# KiCad board panel.kicad_pcb (continued)
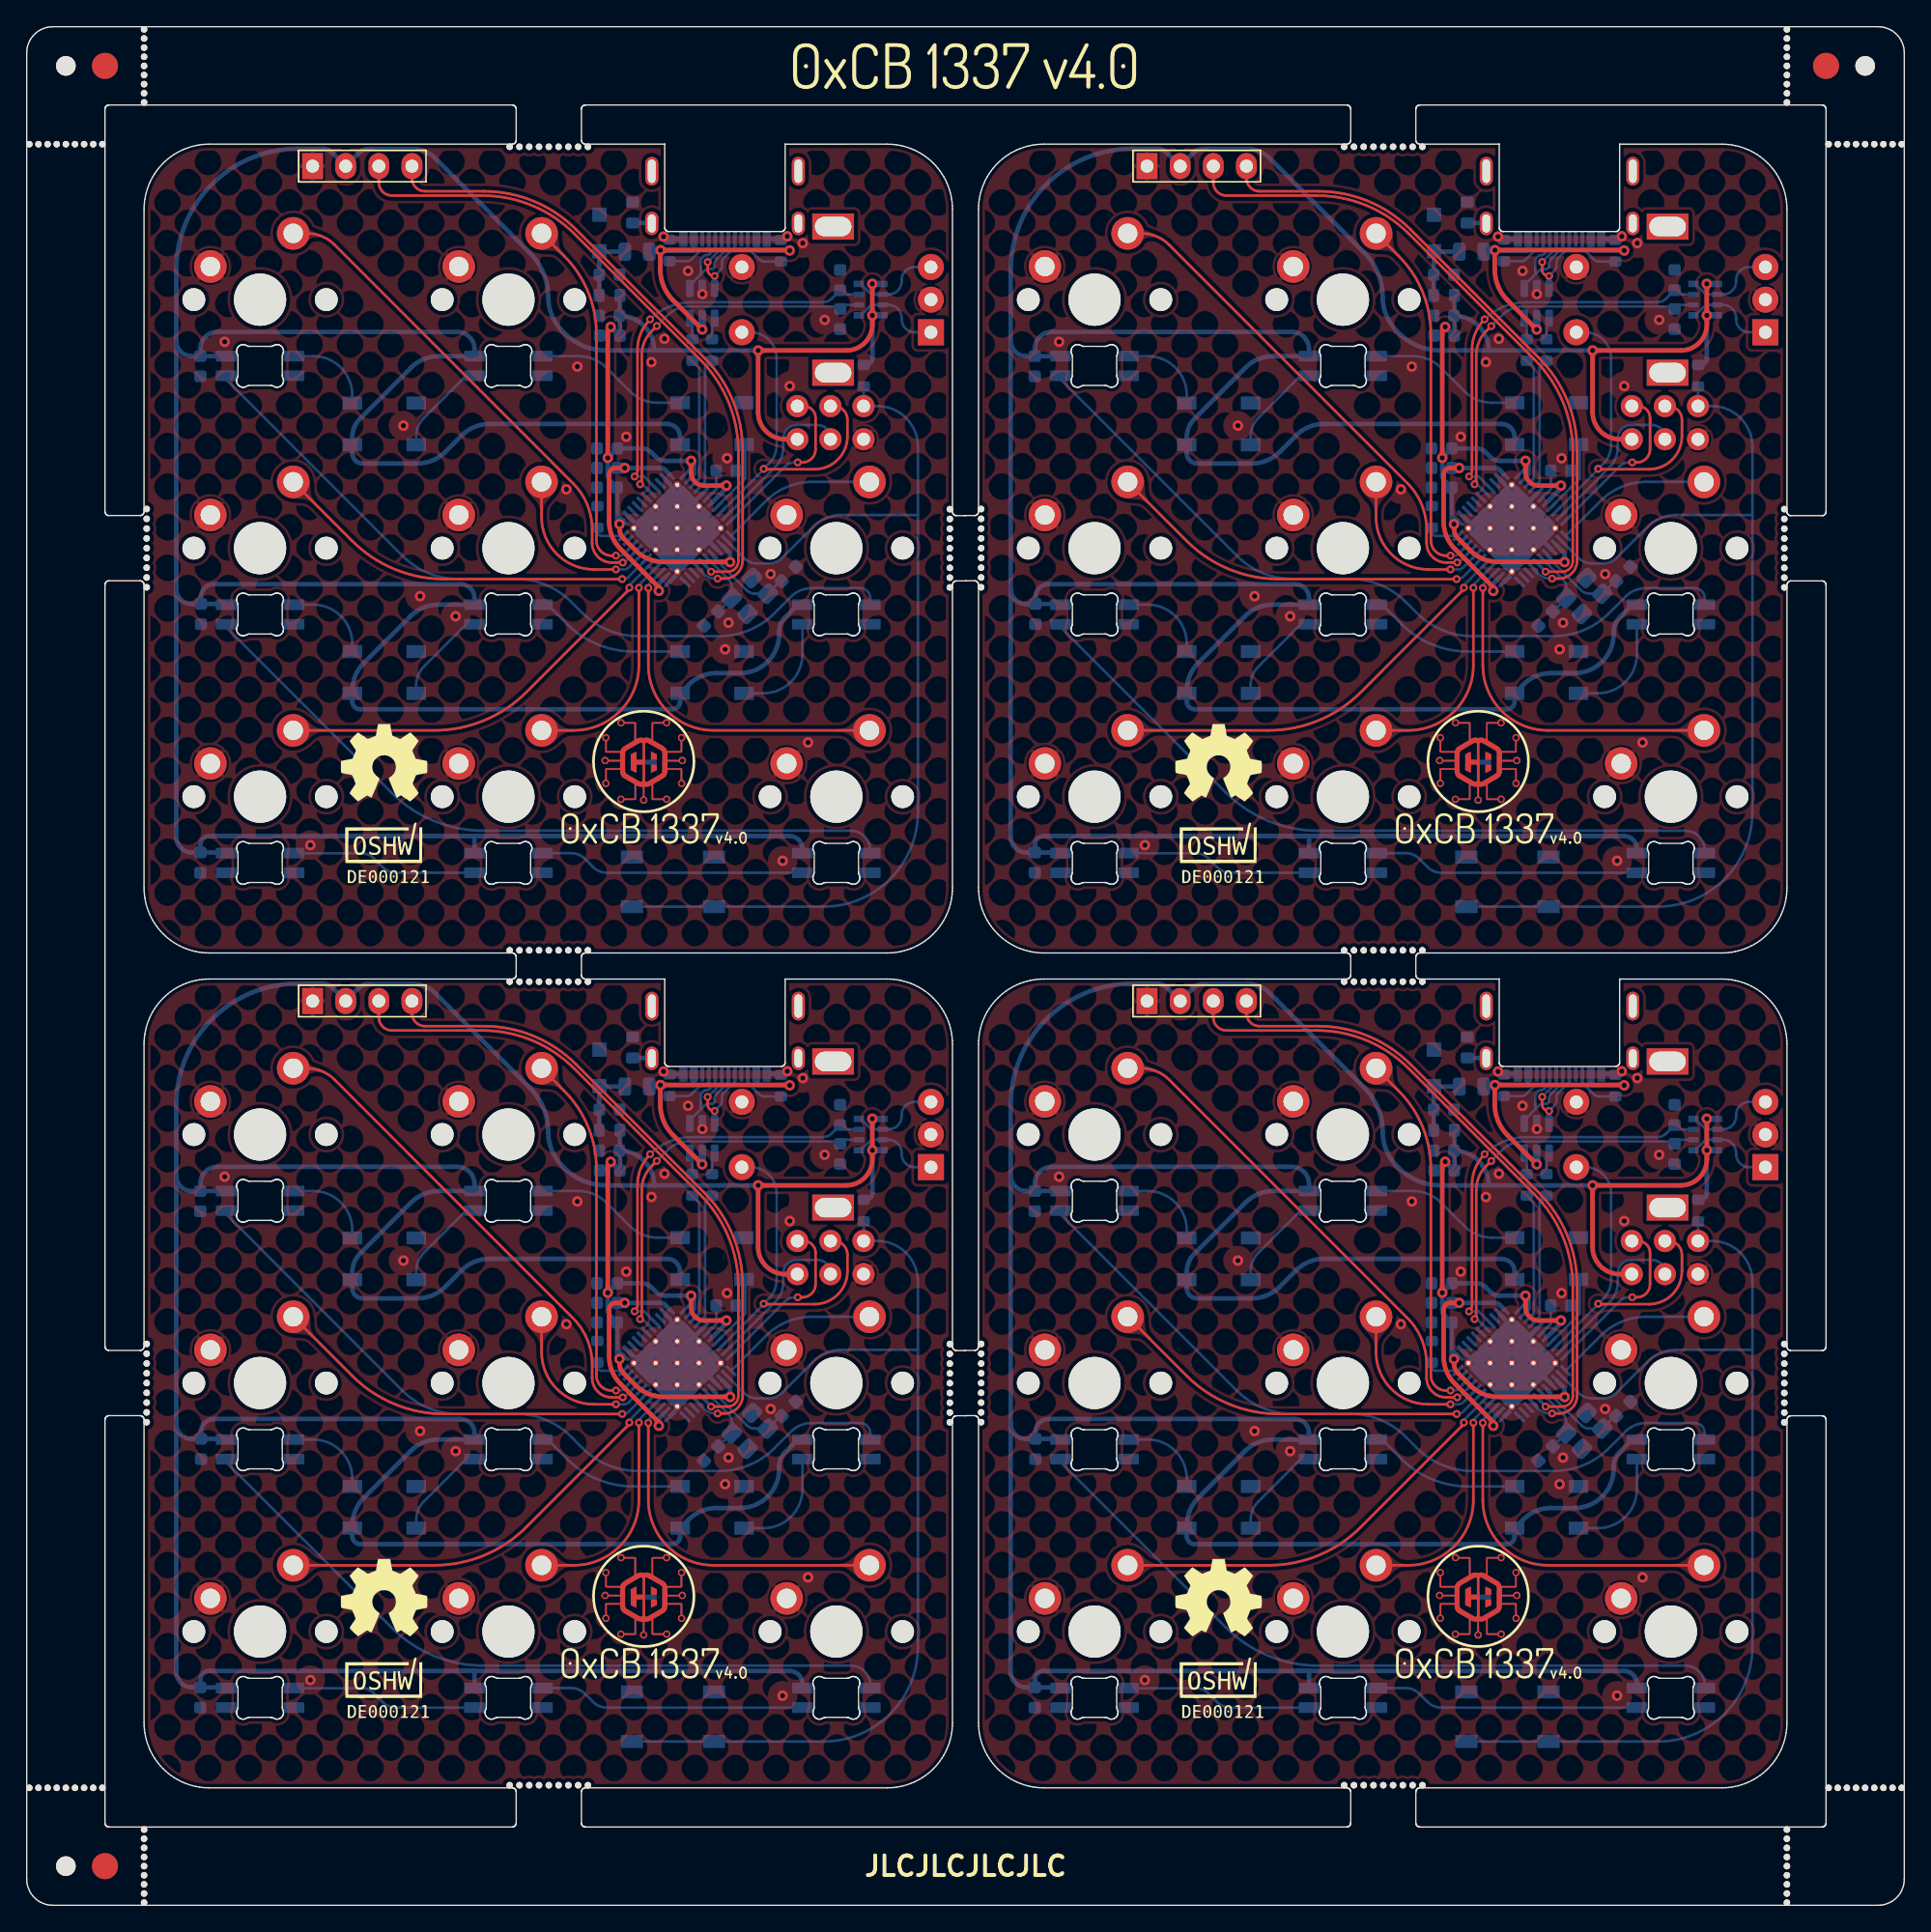
[diagram p0: board, top side]
## Placement (name value [footprint] x y rotation side) (continued)
REF**#192  -  [NPTH]  9.2 37.78 0 top
REF**#193  -  [NPTH]  135 141.7 0 top
REF**#194  -  [NPTH]  104.04 134.8 0 top
REF**#195  -  [NPTH]  9.2 101.03 0 top
REF**#196  -  [NPTH]  134.8 102.52 0 top
REF**#197  -  [NPTH]  9.2 106.28 0 top
REF**#198  -  [NPTH]  4.4 9 0 top
REF**#199  -  [NPTH]  73.2 41.53 0 top
REF**#200  -  [NPTH]  9 5.1 0 top
REF**#201  -  [OSHW-Symbol_6.7x6mm_SilkScreen]  91.4 87.57 0 top
REF**#202  -  [NPTH]  41.54 73.2 0 top
REF**#203  -  [NPTH]  101.79 9.2 0 top
REF**#204  -  [NPTH]  101.04 70.8 0 top
REF**#205  -  [NPTH]  104.04 73.2 0 top
REF**#206  -  [NPTH]  0.9 135 0 top
REF**#207  -  [NPTH]  70.8 42.27 0 top
REF**#208  -  [NPTH]  135 143.1 0 top
REF**#209  -  [NPTH]  104.79 73.2 0 top
REF**#210  -  [NPTH]  5.8 135 0 top
REF**#211  -  [NPTH]  9.2 103.28 0 top
REF**#212  -  [NPTH#2]  141 141 0 top
REF**#213  -  [NPTH]  40.04 134.8 0 top
REF**#214  -  [NPTH]  41.54 9.2 0 top
REF**#215  -  [NPTH]  102.54 73.2 0 top
REF**#216  -  [NPTH]  107.04 134.8 0 top
REF**#217  -  [NPTH]  105.54 134.8 0 top
REF**#218  -  [NPTH]  73.2 37.03 0 top
REF**#219  -  [NPTH]  70.8 37.77 0 top
REF**#220  -  [NPTH]  135 4.4 0 top
REF**#221  -  [NPTH]  40.79 134.8 0 top
REF**#222  -  [NPTH]  103.29 9.2 0 top
REF**#223  -  [NPTH]  107.04 9.2 0 top
REF**#224  -  [NPTH]  135 139.6 0 top
REF**#225  -  [NPTH]  134.8 40.02 0 top
REF**#226  -  [NPTH]  103.29 73.2 0 top
REF**#227  -  [Fiducial]  6 141 0 bottom
REF**#228  -  [OSHW-Symbol_6.7x6mm_SilkScreen]  91.41 23.56 180 bottom
REF**#229  -  [OSHW-Symbol_6.7x6mm_SilkScreen]  27.41 23.56 180 bottom
REF**#230  -  [Fiducial]  138 141 0 bottom
REF**#231  -  [OSHW-Symbol_6.7x6mm_SilkScreen]  27.41 87.56 180 bottom
REF**#232  -  [Fiducial]  6 3 0 bottom
REF**#233  -  [OSHW-Symbol_6.7x6mm_SilkScreen]  91.41 87.56 180 bottom
RN1  10k  [R_Array_Convex_4x0603]  64.73 123.08 0 bottom
RN1#2  10k  [R_Array_Convex_4x0603]  128.73 59.08 0 bottom
RN1#3  10k  [R_Array_Convex_4x0603]  64.73 59.08 0 bottom
RN1#4  10k  [R_Array_Convex_4x0603]  128.73 123.08 0 bottom
SW1  SW_Push  [SW_SPST_TL3342]  113.56 14.45 180 bottom
SW1#2  SW_Push  [SW_SPST_TL3342]  49.56 14.45 180 bottom
SW1#3  SW_Push  [SW_SPST_TL3342]  113.56 78.45 180 bottom
SW1#4  SW_Push  [SW_SPST_TL3342]  49.56 78.45 180 bottom
U1  SSD1306  [128x64OLED]  25.54 58.72 0 top
U1#2  SSD1306  [128x64OLED]  25.54 122.72 0 top
U1#3  SSD1306  [128x64OLED]  89.54 58.72 0 top
U1#4  SSD1306  [128x64OLED]  89.54 122.72 0 top
U2  USBLC6-2SC6  [SOT-23-6]  51.81 58.8 270 bottom
U2#2  USBLC6-2SC6  [SOT-23-6]  51.81 122.8 270 bottom
U2#3  USBLC6-2SC6  [SOT-23-6]  115.81 122.8 270 bottom
U2#4  USBLC6-2SC6  [SOT-23-6]  115.81 58.8 270 bottom
U3  ATMEGA32U4  [QFN-44-1EP_7x7mm_P0.5mm_EP5.2x5.2mm_ThermalVias]  49.89 105.57 225 bottom
U3#2  ATMEGA32U4  [QFN-44-1EP_7x7mm_P0.5mm_EP5.2x5.2mm_ThermalVias]  113.89 41.57 225 bottom
U3#3  ATMEGA32U4  [QFN-44-1EP_7x7mm_P0.5mm_EP5.2x5.2mm_ThermalVias]  113.89 105.57 225 bottom
U3#4  ATMEGA32U4  [QFN-44-1EP_7x7mm_P0.5mm_EP5.2x5.2mm_ThermalVias]  49.89 41.57 225 bottom
Y1  16MHz  [Crystal_SMD_3225-4Pin_3.2x2.5mm]  55.45 100.37 225 bottom
Y1#2  16MHz  [Crystal_SMD_3225-4Pin_3.2x2.5mm]  119.45 100.37 225 bottom
Y1#3  16MHz  [Crystal_SMD_3225-4Pin_3.2x2.5mm]  119.45 36.37 225 bottom
Y1#4  16MHz  [Crystal_SMD_3225-4Pin_3.2x2.5mm]  55.45 36.37 225 bottom

## Library data of the parts
C2 C2#2-C2#4 C4 C4#2-C4#4 C6 C6#2-C6#4 C7 C7#2-C7#4 C8 C8#2-C8#4 C10 C10#2-C10#4 C12 C12#2-C12#4 C14 C14#2-C14#4 = -: Alt Part Nb.: C91183; Part Nb.: 478-5266-1-ND
C5 C5#2-C5#4 C9 C9#2-C9#4 = -: Alt Part Nb.: C393692; Part Nb.: 1276-1102-1-ND
C11 C11#2-C11#4 C13 C13#2-C13#4 = -: Alt Part Nb.: C85969; Part Nb.: 478-1167-1-ND
D1 D1#2-D1#4 D2 D2#2-D2#4 D3 D3#2-D3#4 D4 D4#2-D4#4 D5 D5#2-D5#4 D6 D6#2-D6#4 D7 D7#2-D7#4 D8 D8#2-D8#4 = -: Field4: 1
D10 D10#2-D10#4 D11 D11#2-D11#4 D12 D12#2-D12#4 D13 D13#2-D13#4 = -: Alt Part Nb.: C114586; Another Part Nb.: -; Part Nb.: 1568-COM-16347CT-ND; Field7: 1
F1 F1#2-F1#4 = -: Alt Part Nb.: C369150; Part Nb.: 507-1815-1-ND
FB1 FB1#2-FB1#4 = -: Alt Part Nb.: C74330; Part Nb.: 732-1593-1-ND
J1 J1#2-J1#4 = -: Alt Part Nb.: C223906; Another Part Nb.: -; Part Nb.: 900-2169900002CT-ND
J2 J2#2-J2#4 U1 U1#2-U1#4 = -: Alt Part Nb.: -; Another Part Nb.: -; Part Nb.: -
MX3 MX3#2-MX3#4 = -: Alt Part Nb.: C278348; Another Part Nb.: -; Part Nb.: PEC11L-4125F-S0020-ND
R1 R1#2-R1#4 R2 R2#2-R2#4 = -: Alt Part Nb.: C23186; Part Nb.: P5.1KDBCT-ND
R3 R3#2-R3#4 R4 R4#2-R4#4 = -: Alt Part Nb.: C174301; Part Nb.: A130081CT-ND
R5 R5#2-R5#4 R6 R6#2-R6#4 = -: Alt Part Nb.: C25804; Part Nb.: RHM10KADCT-ND
RN1 RN1#2-RN1#4 = -: Alt Part Nb.: C109324; Part Nb.: MNR14103RTR-ND
SW1 SW1#2-SW1#4 = -: Alt Part Nb.: C318884; Part Nb.: EG2531CT-ND
U2 U2#2-U2#4 = -: Alt Part Nb.: C7519; Part Nb.: 497-5235-1-ND
U3 U3#2-U3#4 = -: Alt Part Nb.: C112161; Part Nb.: ATMEGA32U4RC-MURCT-ND
Y1 Y1#2-Y1#4 = -: Alt Part Nb.: C389842; Part Nb.: XC2060CT-ND

## Footprints (pads in the part's own frame, mm; a bottom-side part is the same pattern mirrored in y, then rotated)
128x64OLED
  rect 1.6x2 hole 1: 1(-3.62,10.6)
  oval 1.6x2 hole 1: 2(-1.08,10.6) 3(1.46,10.6) 4(4,10.6)
AVR_PROG_2.54_THT
  round 1.7 hole 1: 1(-2.54,-1.27) 2(-2.54,1.27) 3(0,-1.27) 4(0,1.27) 5(2.54,-1.27) 6(2.54,1.27)
C_0603_1608Metric
  rrect 0.9x0.95 smd: 1(-0.775,0) 2(0.775,0)
Crystal_SMD_3225-4Pin_3.2x2.5mm
  rrect 1.4x1.2 smd: 1(-1.1,-0.85) 2(1.1,-0.85) 3(1.1,0.85) 4(-1.1,0.85)
D_SOD-123F
  rect 1.1x1.1 smd: 1(-1.4,0) 2(1.4,0)
EC11
  rect 2x2 hole 1: A(0,0)
  round 2 hole 1: B(0,-5) C(0,-2.5) S1(14.5,-5) S2(14.5,0)
  rect 3.2x2 hole 2.8x1.5: MP(7.5,3.1) MP(7.5,-8.1)
Ferrite_Bead_0603
  rrect 0.85x1 smd: 1(-0.8,0) 2(0.8,0)
Fiducial
  round 2 smd: (0,0)
Fuse_0805_2012Metric
  rrect 0.975x1.4 smd: 1(-0.938,0) 2(0.938,0)
LED_WS2812B_PLCC4_5.0x5.0mm_P3.2mm
  rect 1.5x1 smd: 1(-2.45,1.6) 2(-2.45,-1.6) 3(2.45,-1.6) 4(2.45,1.6)
molex2169900001
  rect 0.6x1.15 smd: A1(-3.2,7.3) A4(-2.4,7.3) A9(2.4,7.3) A12(3.2,7.3) B1(3.2,7.3) B4(2.4,7.3) B9(-2.4,7.3) B12(-3.2,7.3)
  rect 0.3x1.15 smd: A5(-1.25,7.3) A6(-0.25,7.3) A7(0.25,7.3) A8(1.25,7.3) B5(1.75,7.3) B6(0.75,7.3) B7(-0.75,7.3) B8(-1.75,7.3)
  oval 1x1.8 hole 0.6x1.4: S1(-5.62,6.1) S2(5.62,6.1)
  oval 1x2.2 hole 0.6x1.8: S3(5.62,2.1) S4(-5.62,2.1)
MX_SK6812MINI-E
  rrect 1.6x0.82 smd far side: 1(-2.6,-4.33) 2(-2.6,-5.83) 3(2.6,-5.83) 4(2.6,-4.33)
NPTH
  round 0.5 hole 0.5 unplated: (0,0)
NPTH#2
  round 1.5 hole 1.5 unplated: (0,0)
QFN-44-1EP_7x7mm_P0.5mm_EP5.2x5.2mm_ThermalVias
  rrect 1.007x1.007 smd: (-1.762,-1.762) (-1.762,-0.588) (-1.762,0.588) (-1.762,1.762) (-0.588,-1.762) (-0.588,-0.588) (-0.588,0.588) (-0.588,1.762) (0.588,-1.762) (0.588,-0.588) (0.588,0.588) (0.588,1.762) (1.762,-1.762) (1.762,-0.588) (1.762,0.588) (1.762,1.762)
  rrect 1.075x0.25 smd: 1(-3.337,2.5) 2(-3.337,2) 3(-3.337,1.5) 4(-3.337,1) 5(-3.337,0.5) 6(-3.337,0) 7(-3.337,-0.5) 8(-3.337,-1) 9(-3.337,-1.5) 10(-3.337,-2) 11(-3.337,-2.5) 23(3.337,-2.5) 24(3.337,-2) 25(3.337,-1.5) 26(3.337,-1) 27(3.337,-0.5) 28(3.337,0) 29(3.337,0.5) 30(3.337,1) 31(3.337,1.5) 32(3.337,2) 33(3.337,2.5)
  rrect 0.25x1.075 smd: 12(-2.5,-3.337) 13(-2,-3.337) 14(-1.5,-3.337) 15(-1,-3.337) 16(-0.5,-3.337) 17(0,-3.337) 18(0.5,-3.337) 19(1,-3.337) 20(1.5,-3.337) 21(2,-3.337) 22(2.5,-3.337) 34(2.5,3.337) 35(2,3.337) 36(1.5,3.337) 37(1,3.337) 38(0.5,3.337) 39(0,3.337) 40(-0.5,3.337) 41(-1,3.337) 42(-1.5,3.337) 43(-2,3.337) 44(-2.5,3.337)
  round 0.5 hole 0.3: 45(-2.35,-2.35) 45(-2.35,0) 45(-2.35,2.35) 45(-1.175,-1.175) 45(-1.175,1.175) 45(0,-2.35) 45(0,0) 45(0,2.35) 45(1.175,-1.175) 45(1.175,1.175) 45(2.35,-2.35) 45(2.35,0) 45(2.35,2.35)
  rect 5.2x5.2 smd: 45(0,0) 45(0,0)
R_0603_1608Metric
  rrect 0.8x0.95 smd: 1(-0.825,0) 2(0.825,0)
R_Array_Convex_4x0603
  rect 0.8x0.5 smd: 1(-0.9,1.2) 4(-0.9,-1.2) 5(0.9,-1.2) 8(0.9,1.2)
  rect 0.8x0.4 smd: 2(-0.9,0.4) 3(-0.9,-0.4) 6(0.9,-0.4) 7(0.9,0.4)
SOT-23-6
  rrect 1.325x0.6 smd: 1(-1.137,0.95) 2(-1.137,0) 3(-1.137,-0.95) 4(1.137,-0.95) 5(1.137,0) 6(1.137,0.95)
SW_Cherry_MX_PCB_1.00u
  round 1.75 hole 1.75 unplated: (-5.08,0) (5.08,0)
  round 4 hole 4 unplated: (0,0)
  round 2.5 hole 1.5: 1(-3.81,2.54) 2(2.54,5.08)
SW_SPST_TL3342
  rect 1.7x1 smd: 1(-3.15,1.9) 1(3.15,1.9) 2(-3.15,-1.9) 2(3.15,-1.9)

## Nets
Board_0-/VBUS: F1#4.1 J1#2.A4 J1#2.A9 J1#2.B4 J1#2.B9 U2#2.5
Board_1-/VBUS: F1#2.1 J1.A4 J1.A9 J1.B4 J1.B9 U2#3.5
Board_2-/VBUS: F1#3.1 J1#3.A4 J1#3.A9 J1#3.B4 J1#3.B9 U2.5
Board_3-/VBUS: F1.1 J1#4.A4 J1#4.A9 J1#4.B4 J1#4.B9 U2#4.5
Board_0-/MCU+: R3#4.1 U3.4
Board_0-/MCU-: R4#3.1 U3.3
Board_0-D+: R3#4.2 U2#2.4
Board_0-D-: R4#3.2 U2#2.6
Board_0-EA: C4#3.1 RN1.2 U3.40
Board_0-EB: C2#3.1 RN1.3 U3.41
Board_0-GND: C1#3.2 C2#3.2 C3#4.2 C4#3.2 C5#3.2 C6#4.2 C7.2 C8#3.2 C9#2.2 C10#4.2 C11#4.1 C12#4.2 C13#2.1 C14#4.2 D1#3.3 D2#3.3 D3#4.3 D4.3 D5.3 D6#4.3 D7#3.3 D8.3 D9#3.1 D10#3.3 D11#3.3 D12#2.3 D13.3 FB1#3.1 J1#2.A1 J1#2.A12 J1#2.B1 J1#2.B12 J2#3.6 MX1#3.1 MX2#3.1 MX3#3.C MX3#3.S1 MX4#2.1 MX5.1 MX6#4.1 MX7#2.1 MX8#3.1 MX9#4.1 R1.1 R2#4.2 R6#2.1 SW1#4.1 U1#2.1 U2#2.2 U3.5 U3.15 U3.23 U3.35 U3.43 U3.45 Y1.2 Y1.4
Board_0-MISO: J2#3.1 U3.11
Board_0-MOSI: J2#3.4 U3.10
Board_0-Net-(C1-Pad1): C1#3.1 D9#3.2 F1#4.2 FB2#3.1
Board_0-Net-(C9-Pad1): C9#2.1 U3.6
Board_0-Net-(C11-Pad2): C11#4.2 U3.16 Y1.1
Board_0-Net-(C13-Pad2): C13#2.2 U3.17 Y1.3
Board_0-Net-(D1-Pad2): D1#3.2 D5.4
Board_0-Net-(D1-Pad4): D1#3.4 D11#3.2
Board_0-Net-(D3-Pad2): D3#4.2 D8.4
Board_0-Net-(D6-Pad4): D6#4.4 D7#3.2
Board_0-Net-(D7-Pad4): D7#3.4 D8.2
Board_0-Net-(D10-Pad2): D2#3.4 D10#3.2
Board_0-Net-(D11-Pad4): D2#3.2 D11#3.4
Board_0-Net-(D12-Pad2): D4.4 D12#2.2
Board_0-Net-(D12-Pad4): D5.2 D12#2.4
Board_0-Net-(D13-Pad2): D3#4.4 D13.2
Board_0-Net-(D13-Pad4): D4.2 D13.4
Board_0-Net-(FB1-Pad2): FB1#3.2 J1#2.S1
Board_0-Net-(J1-PadA5): J1#2.A5 R2#4.1
Board_0-Net-(J1-PadA6): J1#2.A6 J1#2.B6 U2#2.3
Board_0-Net-(J1-PadA7): J1#2.A7 J1#2.B7 U2#2.1
Board_0-Net-(J1-PadB5): J1#2.B5 R1.2
Board_0-Net-(MX3-PadA): MX3#3.A RN1.1 RN1.7
Board_0-Net-(MX3-PadB): MX3#3.B RN1.4 RN1.6
Board_0-Net-(R6-Pad2): R6#2.2 U3.33
Board_0-RGB: D10#3.4 U3.8
Board_0-RST: J2#3.5 R5#3.1 SW1#4.2 U3.13
Board_0-S1: MX1#3.2 U3.30
Board_0-S2: MX2#3.2 U3.31
Board_0-S3: J2#3.3 MX3#3.S2 U3.9
Board_0-S4: MX4#2.2 U3.28
Board_0-S5: MX5.2 U3.29
Board_0-S6: MX6#4.2 U3.12
Board_0-S7: MX7#2.2 U3.27
Board_0-S8: MX8#3.2 U3.26
Board_0-S9: MX9#4.2 U3.25
Board_0-SCL: U1#2.3 U3.18
Board_0-SDA: U1#2.4 U3.19
Board_0-unconnected-(D6-Pad2): D6#4.2
Board_0-unconnected-(J1-PadA8): J1#2.A8
Board_0-unconnected-(J1-PadB8): J1#2.B8
Board_0-unconnected-(U3-Pad1): U3.1
Board_0-unconnected-(U3-Pad20): U3.20
Board_0-unconnected-(U3-Pad21): U3.21
Board_0-unconnected-(U3-Pad22): U3.22
Board_0-unconnected-(U3-Pad32): U3.32
Board_0-unconnected-(U3-Pad36): U3.36
Board_0-unconnected-(U3-Pad37): U3.37
Board_0-unconnected-(U3-Pad38): U3.38
Board_0-unconnected-(U3-Pad39): U3.39
Board_0-unconnected-(U3-Pad42): U3.42
Board_0-VCC: C3#4.1 C5#3.1 C6#4.1 C7.1 C8#3.1 C10#4.1 C12#4.1 C14#4.1 D1#3.1 D2#3.1 D3#4.1 D4.1 D5.1 D6#4.1 D7#3.1 D8.1 D10#3.1 D11#3.1 D12#2.1 D13.1 FB2#3.2 J2#3.2 R5#3.2 RN1.5 RN1.8 U1#2.2 U3.2 U3.7 U3.14 U3.24 U3.34 U3.44
Board_1-/MCU+: R3#3.1 U3#3.4
Board_1-/MCU-: R4#2.1 U3#3.3
Board_1-D+: R3#3.2 U2#3.4
Board_1-D-: R4#2.2 U2#3.6
Board_1-EA: C4.1 RN1#4.2 U3#3.40
Board_1-EB: C2#4.1 RN1#4.3 U3#3.41
Board_1-GND: C1.2 C2#4.2 C3#3.2 C4.2 C5#2.2 C6#2.2 C7#4.2 C8#4.2 C9#3.2 C10.2 C11.1 C12#2.2 C13#3.1 C14#2.2 D1#4.3 D2.3 D3#2.3 D4#2.3 D5#3.3 D6#2.3 D7#2.3 D8#2.3 D9#2.1 D10#4.3 D11.3 D12#4.3 D13#2.3 FB1#2.1 J1.A1 J1.A12 J1.B1 J1.B12 J2.6 MX1#4.1 MX2#4.1 MX3#4.C MX3#4.S1 MX4.1 MX5#4.1 MX6#3.1 MX7.1 MX8#4.1 MX9#3.1 R1#3.1 R2.2 R6#4.1 SW1#3.1 U1#4.1 U2#3.2 U3#3.5 U3#3.15 U3#3.23 U3#3.35 U3#3.43 U3#3.45 Y1#2.2 Y1#2.4
Board_1-MISO: J2.1 U3#3.11
Board_1-MOSI: J2.4 U3#3.10
Board_1-Net-(C1-Pad1): C1.1 D9#2.2 F1#2.2 FB2#2.1
Board_1-Net-(C9-Pad1): C9#3.1 U3#3.6
Board_1-Net-(C11-Pad2): C11.2 U3#3.16 Y1#2.1
Board_1-Net-(C13-Pad2): C13#3.2 U3#3.17 Y1#2.3
Board_1-Net-(D1-Pad2): D1#4.2 D5#3.4
Board_1-Net-(D1-Pad4): D1#4.4 D11.2
Board_1-Net-(D3-Pad2): D3#2.2 D8#2.4
Board_1-Net-(D6-Pad4): D6#2.4 D7#2.2
Board_1-Net-(D7-Pad4): D7#2.4 D8#2.2
Board_1-Net-(D10-Pad2): D2.4 D10#4.2
Board_1-Net-(D11-Pad4): D2.2 D11.4
Board_1-Net-(D12-Pad2): D4#2.4 D12#4.2
Board_1-Net-(D12-Pad4): D5#3.2 D12#4.4
Board_1-Net-(D13-Pad2): D3#2.4 D13#2.2
Board_1-Net-(D13-Pad4): D4#2.2 D13#2.4
Board_1-Net-(FB1-Pad2): FB1#2.2 J1.S1
Board_1-Net-(J1-PadA5): J1.A5 R2.1
Board_1-Net-(J1-PadA6): J1.A6 J1.B6 U2#3.3
Board_1-Net-(J1-PadA7): J1.A7 J1.B7 U2#3.1
Board_1-Net-(J1-PadB5): J1.B5 R1#3.2
Board_1-Net-(MX3-PadA): MX3#4.A RN1#4.1 RN1#4.7
Board_1-Net-(MX3-PadB): MX3#4.B RN1#4.4 RN1#4.6
Board_1-Net-(R6-Pad2): R6#4.2 U3#3.33
Board_1-RGB: D10#4.4 U3#3.8
Board_1-RST: J2.5 R5.1 SW1#3.2 U3#3.13
Board_1-S1: MX1#4.2 U3#3.30
Board_1-S2: MX2#4.2 U3#3.31
Board_1-S3: J2.3 MX3#4.S2 U3#3.9
Board_1-S4: MX4.2 U3#3.28
Board_1-S5: MX5#4.2 U3#3.29
Board_1-S6: MX6#3.2 U3#3.12
Board_1-S7: MX7.2 U3#3.27
Board_1-S8: MX8#4.2 U3#3.26
Board_1-S9: MX9#3.2 U3#3.25
Board_1-SCL: U1#4.3 U3#3.18
Board_1-SDA: U1#4.4 U3#3.19
Board_1-unconnected-(D6-Pad2): D6#2.2
Board_1-unconnected-(J1-PadA8): J1.A8
Board_1-unconnected-(J1-PadB8): J1.B8
Board_1-unconnected-(U3-Pad1): U3#3.1
Board_1-unconnected-(U3-Pad20): U3#3.20
Board_1-unconnected-(U3-Pad21): U3#3.21
Board_1-unconnected-(U3-Pad22): U3#3.22
Board_1-unconnected-(U3-Pad32): U3#3.32
Board_1-unconnected-(U3-Pad36): U3#3.36
Board_1-unconnected-(U3-Pad37): U3#3.37
Board_1-unconnected-(U3-Pad38): U3#3.38
Board_1-unconnected-(U3-Pad39): U3#3.39
Board_1-unconnected-(U3-Pad42): U3#3.42
Board_1-VCC: C3#3.1 C5#2.1 C6#2.1 C7#4.1 C8#4.1 C10.1 C12#2.1 C14#2.1 D1#4.1 D2.1 D3#2.1 D4#2.1 D5#3.1 D6#2.1 D7#2.1 D8#2.1 D10#4.1 D11.1 D12#4.1 D13#2.1 FB2#2.2 J2.2 R5.2 RN1#4.5 RN1#4.8 U1#4.2 U3#3.2 U3#3.7 U3#3.14 U3#3.24 U3#3.34 U3#3.44
Board_2-/MCU+: R3.1 U3#4.4
Board_2-/MCU-: R4#4.1 U3#4.3
Board_2-D+: R3.2 U2.4
Board_2-D-: R4#4.2 U2.6
Board_2-EA: C4#4.1 RN1#3.2 U3#4.40
Board_2-EB: C2.1 RN1#3.3 U3#4.41
Board_2-GND: C1#4.2 C2.2 C3#2.2 C4#4.2 C5#4.2 C6.2 C7#2.2 C8.2 C9.2 C10#3.2 C11#3.1 C12.2 C13#4.1 C14#3.2 D1.3 D2#4.3 D3#3.3 D4#4.3 D5#4.3 D6#3.3 D7#4.3 D8#3.3 D9#4.1 D10.3 D11#4.3 D12#3.3 D13#4.3 FB1#4.1 J1#3.A1 J1#3.A12 J1#3.B1 J1#3.B12 J2#2.6 MX1.1 MX2.1 MX3#2.C MX3#2.S1 MX4#4.1 MX5#3.1 MX6.1 MX7#4.1 MX8.1 MX9.1 R1#4.1 R2#3.2 R6.1 SW1#2.1 U1.1 U2.2 U3#4.5 U3#4.15 U3#4.23 U3#4.35 U3#4.43 U3#4.45 Y1#4.2 Y1#4.4
Board_2-MISO: J2#2.1 U3#4.11
Board_2-MOSI: J2#2.4 U3#4.10
Board_2-Net-(C1-Pad1): C1#4.1 D9#4.2 F1#3.2 FB2.1
Board_2-Net-(C9-Pad1): C9.1 U3#4.6
Board_2-Net-(C11-Pad2): C11#3.2 U3#4.16 Y1#4.1
Board_2-Net-(C13-Pad2): C13#4.2 U3#4.17 Y1#4.3
Board_2-Net-(D1-Pad2): D1.2 D5#4.4
Board_2-Net-(D1-Pad4): D1.4 D11#4.2
Board_2-Net-(D3-Pad2): D3#3.2 D8#3.4
Board_2-Net-(D6-Pad4): D6#3.4 D7#4.2
Board_2-Net-(D7-Pad4): D7#4.4 D8#3.2
Board_2-Net-(D10-Pad2): D2#4.4 D10.2
Board_2-Net-(D11-Pad4): D2#4.2 D11#4.4
Board_2-Net-(D12-Pad2): D4#4.4 D12#3.2
Board_2-Net-(D12-Pad4): D5#4.2 D12#3.4
Board_2-Net-(D13-Pad2): D3#3.4 D13#4.2
Board_2-Net-(D13-Pad4): D4#4.2 D13#4.4
Board_2-Net-(FB1-Pad2): FB1#4.2 J1#3.S1
Board_2-Net-(J1-PadA5): J1#3.A5 R2#3.1
Board_2-Net-(J1-PadA6): J1#3.A6 J1#3.B6 U2.3
Board_2-Net-(J1-PadA7): J1#3.A7 J1#3.B7 U2.1
Board_2-Net-(J1-PadB5): J1#3.B5 R1#4.2
Board_2-Net-(MX3-PadA): MX3#2.A RN1#3.1 RN1#3.7
Board_2-Net-(MX3-PadB): MX3#2.B RN1#3.4 RN1#3.6
Board_2-Net-(R6-Pad2): R6.2 U3#4.33
Board_2-RGB: D10.4 U3#4.8
Board_2-RST: J2#2.5 R5#4.1 SW1#2.2 U3#4.13
Board_2-S1: MX1.2 U3#4.30
Board_2-S2: MX2.2 U3#4.31
Board_2-S3: J2#2.3 MX3#2.S2 U3#4.9
Board_2-S4: MX4#4.2 U3#4.28
Board_2-S5: MX5#3.2 U3#4.29
Board_2-S6: MX6.2 U3#4.12
Board_2-S7: MX7#4.2 U3#4.27
Board_2-S8: MX8.2 U3#4.26
Board_2-S9: MX9.2 U3#4.25
Board_2-SCL: U1.3 U3#4.18
Board_2-SDA: U1.4 U3#4.19
Board_2-unconnected-(D6-Pad2): D6#3.2
Board_2-unconnected-(J1-PadA8): J1#3.A8
Board_2-unconnected-(J1-PadB8): J1#3.B8
Board_2-unconnected-(U3-Pad1): U3#4.1
Board_2-unconnected-(U3-Pad20): U3#4.20
Board_2-unconnected-(U3-Pad21): U3#4.21
Board_2-unconnected-(U3-Pad22): U3#4.22
Board_2-unconnected-(U3-Pad32): U3#4.32
Board_2-unconnected-(U3-Pad36): U3#4.36
Board_2-unconnected-(U3-Pad37): U3#4.37
Board_2-unconnected-(U3-Pad38): U3#4.38
Board_2-unconnected-(U3-Pad39): U3#4.39
Board_2-unconnected-(U3-Pad42): U3#4.42
Board_2-VCC: C3#2.1 C5#4.1 C6.1 C7#2.1 C8.1 C10#3.1 C12.1 C14#3.1 D1.1 D2#4.1 D3#3.1 D4#4.1 D5#4.1 D6#3.1 D7#4.1 D8#3.1 D10.1 D11#4.1 D12#3.1 D13#4.1 FB2.2 J2#2.2 R5#4.2 RN1#3.5 RN1#3.8 U1.2 U3#4.2 U3#4.7 U3#4.14 U3#4.24 U3#4.34 U3#4.44
Board_3-/MCU+: R3#2.1 U3#2.4
Board_3-/MCU-: R4.1 U3#2.3
Board_3-D+: R3#2.2 U2#4.4
Board_3-D-: R4.2 U2#4.6
Board_3-EA: C4#2.1 RN1#2.2 U3#2.40
Board_3-EB: C2#2.1 RN1#2.3 U3#2.41
Board_3-GND: C1#2.2 C2#2.2 C3.2 C4#2.2 C5.2 C6#3.2 C7#3.2 C8#2.2 C9#4.2 C10#2.2 C11#2.1 C12#3.2 C13.1 C14.2 D1#2.3 D2#2.3 D3.3 D4#3.3 D5#2.3 D6.3 D7.3 D8#4.3 D9.1 D10#2.3 D11#2.3 D12.3 D13#3.3 FB1.1 J1#4.A1 J1#4.A12 J1#4.B1 J1#4.B12 J2#4.6 MX1#2.1 MX2#2.1 MX3.C MX3.S1 MX4#3.1 MX5#2.1 MX6#2.1 MX7#3.1 MX8#2.1 MX9#2.1 R1#2.1 R2#2.2 R6#3.1 SW1.1 U1#3.1 U2#4.2 U3#2.5 U3#2.15 U3#2.23 U3#2.35 U3#2.43 U3#2.45 Y1#3.2 Y1#3.4
Board_3-MISO: J2#4.1 U3#2.11
Board_3-MOSI: J2#4.4 U3#2.10
Board_3-Net-(C1-Pad1): C1#2.1 D9.2 F1.2 FB2#4.1
Board_3-Net-(C9-Pad1): C9#4.1 U3#2.6
Board_3-Net-(C11-Pad2): C11#2.2 U3#2.16 Y1#3.1
Board_3-Net-(C13-Pad2): C13.2 U3#2.17 Y1#3.3
Board_3-Net-(D1-Pad2): D1#2.2 D5#2.4
Board_3-Net-(D1-Pad4): D1#2.4 D11#2.2
Board_3-Net-(D3-Pad2): D3.2 D8#4.4
Board_3-Net-(D6-Pad4): D6.4 D7.2
Board_3-Net-(D7-Pad4): D7.4 D8#4.2
Board_3-Net-(D10-Pad2): D2#2.4 D10#2.2
Board_3-Net-(D11-Pad4): D2#2.2 D11#2.4
Board_3-Net-(D12-Pad2): D4#3.4 D12.2
Board_3-Net-(D12-Pad4): D5#2.2 D12.4
Board_3-Net-(D13-Pad2): D3.4 D13#3.2
Board_3-Net-(D13-Pad4): D4#3.2 D13#3.4
Board_3-Net-(FB1-Pad2): FB1.2 J1#4.S1
Board_3-Net-(J1-PadA5): J1#4.A5 R2#2.1
Board_3-Net-(J1-PadA6): J1#4.A6 J1#4.B6 U2#4.3
Board_3-Net-(J1-PadA7): J1#4.A7 J1#4.B7 U2#4.1
Board_3-Net-(J1-PadB5): J1#4.B5 R1#2.2
Board_3-Net-(MX3-PadA): MX3.A RN1#2.1 RN1#2.7
Board_3-Net-(MX3-PadB): MX3.B RN1#2.4 RN1#2.6
Board_3-Net-(R6-Pad2): R6#3.2 U3#2.33
Board_3-RGB: D10#2.4 U3#2.8
Board_3-RST: J2#4.5 R5#2.1 SW1.2 U3#2.13
Board_3-S1: MX1#2.2 U3#2.30
Board_3-S2: MX2#2.2 U3#2.31
Board_3-S3: J2#4.3 MX3.S2 U3#2.9
Board_3-S4: MX4#3.2 U3#2.28
Board_3-S5: MX5#2.2 U3#2.29
Board_3-S6: MX6#2.2 U3#2.12
Board_3-S7: MX7#3.2 U3#2.27
Board_3-S8: MX8#2.2 U3#2.26
Board_3-S9: MX9#2.2 U3#2.25
Board_3-SCL: U1#3.3 U3#2.18
Board_3-SDA: U1#3.4 U3#2.19
Board_3-unconnected-(D6-Pad2): D6.2
Board_3-unconnected-(J1-PadA8): J1#4.A8
Board_3-unconnected-(J1-PadB8): J1#4.B8
Board_3-unconnected-(U3-Pad1): U3#2.1
Board_3-unconnected-(U3-Pad20): U3#2.20
Board_3-unconnected-(U3-Pad21): U3#2.21
Board_3-unconnected-(U3-Pad22): U3#2.22
Board_3-unconnected-(U3-Pad32): U3#2.32
Board_3-unconnected-(U3-Pad36): U3#2.36
Board_3-unconnected-(U3-Pad37): U3#2.37
Board_3-unconnected-(U3-Pad38): U3#2.38
Board_3-unconnected-(U3-Pad39): U3#2.39
Board_3-unconnected-(U3-Pad42): U3#2.42
Board_3-VCC: C3.1 C5.1 C6#3.1 C7#3.1 C8#2.1 C10#2.1 C12#3.1 C14.1 D1#2.1 D2#2.1 D3.1 D4#3.1 D5#2.1 D6.1 D7.1 D8#4.1 D10#2.1 D11#2.1 D12.1 D13#3.1 FB2#4.2 J2#4.2 R5#2.2 RN1#2.5 RN1#2.8 U1#3.2 U3#2.2 U3#2.7 U3#2.14 U3#2.24 U3#2.34 U3#2.44

Pads without a net: J1 S2 S3 S4; J1#2 S2 S3 S4; J1#3 S2 S3 S4; J1#4 S2 S3 S4; MX3 MP; MX3#2 MP; MX3#3 MP; MX3#4 MP

## Via types
v1: diameter 0.8, hole 0.4, Top to Bottom, 148 vias
v2: diameter 0.6, hole 0.3, Top to Bottom, 68 vias

## Routing (per net, layer and track width the routed paths; a pad name or vN(x,y) marks a point on that pad's centre or on a via; arc(x,y) is an arc through that point)
Board_0-/VBUS: length 25.7
  Top w0.35: v1(58.52,126.85) 58.48,126.88 48.61,126.88 v1(48.6,126.88) 48.59,126.86 48.59,125.4 arc(48.84,124.12) 49.57,123.03 v1(51.81,120.8)
  Bottom w0.35: v1(58.52,126.85) 58.52,126.85 56.16,126.85 55.96,127.05 J1#2.A9 ; J1#2.A4 51.16,126.91 51.08,126.84 48.64,126.84 v1(48.6,126.88) 48.49,126.76 F1#4.1 ; U2#2.5 51.81,121.66 v1(51.81,120.8)
Board_1-/VBUS: length 25.7
  Top w0.35: v1(115.81,120.8) 113.57,123.03 arc(112.84,124.12) 112.59,125.4 112.59,126.86 v1(112.6,126.88) 112.61,126.88 122.48,126.88 v1(122.52,126.85)
  Bottom w0.35: v1(115.81,120.8) 115.81,121.66 U2#3.5 ; v1(122.52,126.85) 122.52,126.85 120.16,126.85 119.96,127.05 J1.A9 ; J1.A4 115.16,126.91 115.08,126.84 112.64,126.84 v1(112.6,126.88) 112.49,126.76 F1#2.1
Board_2-/VBUS: length 25.7
  Top w0.35: v1(58.52,62.85) 58.48,62.88 48.61,62.88 v1(48.6,62.88) 48.59,62.86 48.59,61.4 arc(48.84,60.12) 49.57,59.03 v1(51.81,56.8)
  Bottom w0.35: F1#3.1 48.49,62.76 v1(48.6,62.88) 48.64,62.84 51.08,62.84 51.16,62.91 J1#3.A4 ; v1(51.81,56.8) 51.81,57.66 U2.5 ; J1#3.A9 55.96,63.05 56.16,62.85 58.52,62.85 v1(58.52,62.85)
Board_3-/VBUS: length 25.7
  Top w0.35: v1(115.81,56.8) 113.57,59.03 arc(112.84,60.12) 112.59,61.4 112.59,62.86 v1(112.6,62.88) 112.61,62.88 122.48,62.88 v1(122.52,62.85)
  Bottom w0.35: J1#4.A9 119.96,63.05 120.16,62.85 122.52,62.85 v1(122.52,62.85) ; J1#4.A4 115.16,62.91 115.08,62.84 112.64,62.84 v1(112.6,62.88) 112.49,62.76 F1.1 ; U2#4.5 115.81,57.66 v1(115.81,56.8)
Board_0-/MCU+: length 10.2
  Bottom w0.2: R3#4.1 52.03,117.87 52.03,109.15 51.55,108.67 U3.4
Board_0-/MCU-: length 9.8
  Bottom w0.2: R4#3.1 51.58,117.87 51.58,109.34 51.23,108.99 U3.3
Board_0-D+: length 1.7
  Bottom w0.2: U2#2.4 52.56,121.46 R3#4.2
Board_0-D-: length 1.7
  Bottom w0.2: U2#2.6 51.05,121.47 R4#3.2
Board_0-EA: length 29.9
  Top w0.2: v2(47.04,108.93) 47.17,109.06 47.17,118.84 arc(47.37,119.82) 47.92,120.65 v2(48.33,121.06)
  Bottom w0.2: U3.40 47.23,108.93 v2(47.04,108.93) ; RN1.2 62.7,122.68 C4#3.1 62.35,122.41 arc(62.19,122.52) 61.99,122.55 50.75,122.55 arc(49.89,122.38) 49.17,121.9 v2(48.33,121.06)
Board_0-EB: length 31.2
  Top w0.2: v2(46.62,109.53) 46.7,109.6 arc(46.8,109.76) 46.84,109.96 46.84,119.23 arc(47.09,120.5) v2(47.81,121.57)
  Bottom w0.2: U3.41 47.35,109.53 v2(46.62,109.53) ; RN1.3 62.71,123.48 C2#3.1 61.73,123.15 arc(61.42,122.95) 61.07,122.88 50.97,122.88 arc(49.26,122.54) v2(47.81,121.57)
Board_0-GND: length 22.2
  Bottom w0.35: U3.23 49.3,101.44 49.89,102.03 U3.45 ; U3.45 49.89,108.39 U3.43 ; U3.45 51.31,105.57 U3.15 ; U3.45 49.89,106.27 U3.5 ; U3.45 47.07,105.57 U3.35 ; J1#2.A12 57.77,127.73 R1.1 ; J1#2.A1 49.33,127.73 R2#4.2
  vias: v1(15.18,119.85) v1(21.75,81.26) v1(28.89,113.42) v1(30.17,100.35) v1(32.9,98.81) v1(41.39,108.54) v1(42.23,117.95) v1(45.98,112.57) v1(47.91,118.29) v1(48.84,127.91) v1(48.91,120.08) v1(50.72,125.28) v1(51.82,123.51) v1(53.56,96.28) v1(53.71,110.93) v1(53.82,98.32) v1(57.05,102.05) v1(57.97,80.07) v1(58.33,127.93) v1(58.52,116.45) v1(59.52,127.41) v1(59.92,89.14) v1(61.2,121.53)
Board_0-MISO: length 13.2
  Top w0.2: J2#3.1 59.6,114.92 arc(60.23,114.66) 60.5,114.02 60.5,111.61 arc(60.21,110.9) 59.5,110.61 v2(59.13,110.61)
  Bottom w0.2: U3.11 58.18,110.31 arc(58.5,110.53) 58.88,110.61 v2(59.13,110.61)
Board_0-MOSI: length 12.5
  Bottom w0.2: U3.10 57.42,110.26 arc(57.86,110.93) 58.02,111.72 58.02,112.42 arc(58.33,113.16) 59.07,113.47 60.65,113.47 arc(61.35,113.18) 61.64,112.48 J2#3.4
Board_0-Net-(C1-Pad1): length 5.3
  Bottom w0.35: F1#4.2 43.96,126.76 D9#3.2 43.91,126.78 C1#3.1 43.91,123.43 FB2#3.1
Board_0-Net-(C9-Pad1): length 2.3
  Bottom w0.2: C9#2.1 52.89,108.56 U3.6
Board_0-Net-(C11-Pad2): length 7
  Bottom w0.2: U3.16 52.61,103.41 55.2,100.82 arc(55.51,100.61) 55.86,100.54 Y1.1 57.8,101.51 C11#4.2
Board_0-Net-(C13-Pad2): length 5.2
  Bottom w0.2: C13#2.2 53.06,99.17 Y1.3 54.08,101.05 arc(54.01,101.36) 53.84,101.62 U3.17
Board_0-Net-(D1-Pad2): length 59.2
  Bottom w0.2: D1#3.2 15.3,116.96 28.83,103.43 arc(30.77,102.13) 33.07,101.67 37.51,101.67 arc(39.81,101.22) 41.75,99.92 42.62,99.05 arc(44.57,97.75) 46.87,97.29 53.11,97.29 arc(55.41,97.75) 57.36,99.05 58.63,100.32 arc(59.34,100.8) 60.18,100.97 63.92,100.97 arc(64.47,100.74) 64.7,100.2 D5.4
Board_0-Net-(D1-Pad4): length 6.8
  Bottom w0.2: D1#3.4 21.97,118.75 arc(24.09,117.87) 24.97,115.75 D11#3.2
Board_0-Net-(D3-Pad2): length 56.7
  Bottom w0.2: D8.4 64.7,80.87 arc(64.26,81.93) 63.2,82.37 35.03,82.37 arc(31.21,83.13) 27.96,85.3 15.3,97.97 D3#4.2
Board_0-Net-(D6-Pad4): length 14.4
  Bottom w0.2: D7#3.2 28.34,79.15 arc(27.77,79.27) 27.28,79.59 26.59,80.28 arc(26.2,80.54) 25.73,80.64 20.51,80.64 D6#4.4
Board_0-Net-(D7-Pad4): length 20.4
  Bottom w0.2: D8.2 44.49,79.15 arc(43.92,79.27) 43.43,79.59 42.81,80.21 arc(42.32,80.54) 41.75,80.65 D7#3.4
Board_0-Net-(D10-Pad2): length 11.8
  Bottom w0.2: D2#3.4 42.33,118.75 arc(43.47,118.52) 44.45,117.87 46.27,116.05 arc(47.24,115.4) 48.39,115.18 D10#3.2
Board_0-Net-(D11-Pad4): length 7.4
  Bottom w0.2: D11#3.4 29.87,112.59 arc(30.02,113.36) 30.46,114.01 33.7,117.25 D2#3.2
Board_0-Net-(D12-Pad2): length 11.7
  Bottom w0.2: D12#2.2 46.53,96.11 arc(43.77,96.66) 41.43,98.22 39.95,99.7 D4.4
Board_0-Net-(D12-Pad4): length 8.5
  Bottom w0.2: D12#2.4 56.5,92.91 arc(58.62,93.79) 59.5,95.91 D5.2
Board_0-Net-(D13-Pad2): length 6.8
  Bottom w0.2: D13.2 24.97,96.7 arc(24.09,98.82) 21.97,99.7 D3#4.4
Board_0-Net-(D13-Pad4): length 7.4
  Bottom w0.2: D13.4 29.87,93.53 arc(30.02,94.3) 30.46,94.95 33.71,98.2 D4.2
Board_0-Net-(FB1-Pad2): length 1.5
  Bottom w0.35: FB1#3.2 47.91,128.96 J1#2.S1
Board_0-Net-(J1-PadA5): length 4.1
  Bottom w0.2: R2#4.1 50.64,126.03 arc(50.83,126.07) 50.99,126.18 51.59,126.78 arc(51.76,126.89) 51.95,126.92 52.19,126.92 52.31,127.05 J1#2.A5
Board_0-Net-(J1-PadA6): length 8
  Top w0.2: v2(52.76,124.89) 52.72,124.89 arc(52.37,125.04) 52.22,125.39 v2(52.22,125.97)
  Bottom w0.2: J1#2.A6 53.31,127.05 v2(52.22,125.97) ; J1#2.B6 54.31,127.12 53.47,126.28 arc(53.36,126.12) 53.32,125.93 53.32,125.66 arc(53.28,125.47) 53.17,125.31 v2(52.76,124.89) U2#2.3
Board_0-Net-(J1-PadA7): length 8.8
  Bottom w0.2: 50.86,124.18 U2#2.1 50.86,124.18 ; 50.86,124.18 51.97,125.29 arc(52.13,125.4) 52.32,125.44 52.55,125.44 arc(52.69,125.5) 52.75,125.64 52.75,125.82 arc(52.79,126.01) 52.9,126.18 53.81,127.09 J1#2.A7 ; 51.7,125.02 51.7,126.06 arc(51.72,126.18) 51.78,126.27 51.92,126.41 arc(52.01,126.47) 52.13,126.49 52.16,126.49 arc(52.28,126.52) 52.38,126.58 52.81,127.01 J1#2.B7
Board_0-Net-(J1-PadB5): length 3.6
  Bottom w0.2: J1#2.B5 55.31,127.05 56.2,126.15 arc(56.36,126.04) 56.56,126.01 R1.2
Board_0-Net-(MX3-PadA): length 7.1
  Bottom w0.2: RN1.1 63.98,121.88 64.63,122.54 arc(64.79,122.64) 64.98,122.68 RN1.7 66.1,122.68 arc(66.81,122.39) 67.1,121.68 67.1,121.58 arc(67.39,120.88) 68.1,120.58 MX3#3.A
Board_0-Net-(MX3-PadB): length 7.1
  Bottom w0.2: MX3#3.B 68.1,125.58 arc(67.39,125.29) 67.1,124.58 67.1,124.48 arc(66.81,123.78) 66.1,123.48 RN1.6 64.98,123.48 arc(64.79,123.52) 64.63,123.63 63.98,124.28 RN1.4
Board_0-Net-(R6-Pad2): length 2.5
  Bottom w0.2: U3.33 44.08,104.97 arc(43.86,105.07) 43.76,105.29 R6#2.2
Board_0-RGB: length 5.7
  Bottom w0.2: D10#3.4 55.12,111.87 55.12,109.37 U3.8
Board_0-RST: length 78.2
  Bottom w0.2: 68.35,106.58 62.46,106.58 arc(61.31,106.35) 60.34,105.7 57.94,103.3 arc(57.45,102.97) 56.88,102.86 56.05,102.86 arc(55.48,102.97) 54.99,103.3 U3.13 ; SW1#4.2 61.1,76.55 arc(66.23,78.68) 68.35,83.8 68.35,111.81 arc(67.44,114.01) 65.24,114.92 J2#3.5 64.19,114.93 R5#3.1
Board_0-S1: length 39
  Top w0.2: v2(45.71,102.93) 45.71,102.93 44.86,102.93 arc(43.8,103.37) 43.36,104.43 43.36,105.47 arc(42.98,107.38) 41.9,109 23.62,127.28 arc(22.64,127.93) 21.5,128.16 MX1#3.2
  Bottom w0.2: v2(45.71,102.93) 45.85,102.93 U3.30
Board_0-S2: length 28.7
  Top w0.2: MX2#3.2 41.23,126.42 arc(43.05,123.69) 43.69,120.47 43.69,104.61 arc(44.03,103.8) 44.84,103.46 v2(45.2,103.46)
  Bottom w0.2: v2(45.2,103.46) 45.46,103.46 arc(45.65,103.5) 45.81,103.61 U3.31
Board_0-S3: length 28.2
  Top w0.2: v2(56.52,110.11) 56.55,110.08 60.42,110.08 arc(62.2,110.82) 62.94,112.61 62.94,113.88 arc(62.64,114.62) 61.9,114.92 J2#3.3
  Bottom w0.2: MX3#3.S2 55.51,120.58 arc(56.93,120) 57.51,118.58 57.51,111.93 arc(57.36,111.17) 56.93,110.52 v2(56.52,110.11) 56.52,110.07 U3.9
Board_0-S4: length 30.4
  Top w0.2: v2(45.67,101.66) 32.03,101.66 arc(28.2,102.42) 24.96,104.59 MX4#2.2
  Bottom w0.2: v2(45.67,101.66) 45.78,101.66 arc(45.97,101.7) 46.14,101.81 U3.28
Board_0-S5: length 13.1
  Top w0.2: v2(45.19,102.4) 45.19,102.4 43.49,102.4 arc(40.66,103.58) 39.49,106.41 MX5.2
  Bottom w0.2: U3.29 46.17,102.55 arc(46.01,102.44) 45.82,102.4 v2(45.19,102.4)
Board_0-S6: length 12.1
  Bottom w0.2: U3.12 56.7,107.65 arc(58.32,108.73) 60.23,109.11 MX6#4.2
Board_0-S7: length 32.5
  Top w0.2: v2(46.22,101.01) 46.22,100.89 38.32,92.99 arc(35.07,90.82) 31.25,90.06 MX7#2.2
  Bottom w0.2: v2(46.22,101.01) 46.22,101.19 U3.27
Board_0-S8: length 18.3
  Top w0.2: v2(46.95,101) 46.95,95.06 arc(45.48,91.53) 41.95,90.06 MX8#3.2
  Bottom w0.2: U3.26 47.1,101.35 arc(46.99,101.19) 46.95,101 v2(46.95,101)
Board_0-S9: length 27.3
  Top w0.2: MX9#4.2 52.68,90.06 arc(49.14,91.53) 47.68,95.06 v2(47.68,100.98)
  Bottom w0.2: U3.25 47.82,101.37 arc(47.71,101.21) 47.68,101.02 v2(47.68,100.98)
Board_0-SCL: length 50.9
  Top w0.2: U1#2.3 27,132.06 arc(27.3,131.35) 28,131.06 34.92,131.06 arc(38.75,130.3) 42,128.13 51.65,118.48 arc(53.82,115.23) 54.58,111.41 54.58,103.04 arc(54.34,102.47) 53.77,102.23 v2(52.49,102.23)
  Bottom w0.2: U3.18 51.9,102.81 v2(52.49,102.23)
Board_0-SDA: length 49.6
  Top w0.2: U1#2.4 29.54,132.39 arc(29.84,131.68) 30.54,131.39 35.06,131.39 arc(38.89,130.63) 42.13,128.46 51.98,118.61 arc(54.15,115.37) 54.91,111.54 54.91,103.09 arc(54.5,102.11) 53.52,101.7 52.99,101.7 v2(52.99,101.7)
  Bottom w0.2: U3.19 51.55,102.42 51.86,102.1 arc(52.31,101.8) 52.84,101.7 v2(52.99,101.7)
Board_0-VCC: length 403.2
  Top w0.35: J2#3.2 58.17,112.38 arc(56.7,112.99) 56.09,114.46 v1(56.09,119.19) 62.86,119.19 arc(64.27,119.77) 64.86,121.19 v1(64.86,121.87) 64.85,121.88 v1(64.85,124.29) ; v1(45.46,105.88) 45.46,105.51 arc(45.54,105.13) 45.76,104.8 46.71,103.85 arc(47.68,103.2) 48.83,102.98 53.93,102.98 v1(53.95,102.96) ; v1(48.48,100.76) 48.48,101.03 45.54,103.97 arc(44.89,104.94) 44.66,106.09 44.66,109.68 arc(44.81,110.03) 45.16,110.18 v1(45.86,110.18) ; v1(44.79,120.99) 44.56,120.77 v1(44.56,110.95) ; v1(50.95,110.73) 50.95,109.83 arc(51.24,109.12) 51.95,108.83 v1(53.66,108.83)
  Bottom w0.25: U3.2 51.21,109.71 51.21,110.46 v1(50.95,110.73)
  Bottom w0.35: U3.14 53.8,103.78 arc(53.91,103.62) 53.95,103.43 v1(53.95,102.96) ; v1(64.85,124.29) 64.86,124.28 RN1.5 ; 44.56,110.18 44.56,109.58 arc(44.6,109.39) 44.71,109.23 45.26,108.68 C10#4.1 45.29,106.05 v1(45.46,105.88) 45.75,106.16 U3.34 ; 44.56,110.18 v1(44.56,110.95) C7.1 47.18,111.68 arc(47.56,111.6) 47.89,111.38 48.25,111.02 arc(48.58,110.8) 48.96,110.73 v1(50.95,110.73) ; 44.56,110.18 C8#3.1 v1(45.86,110.18) 48.61,110.18 arc(48.8,110.14) 48.96,110.03 49.3,109.69 U3.44 ; D5.1 59.14,99.7 58.15,98.71 arc(57.82,98.22) 57.71,97.65 57.71,97.45 arc(56.83,95.33) 54.71,94.45 52.9,94.45 arc(51.75,94.22) 50.78,93.57 D12#2.1 50.11,92.28 arc(49.94,91.86) 49.51,91.68 25.58,91.68 arc(25.15,91.86) 24.97,92.29 D13.1 24.97,93.11 arc(25.2,94.26) 25.85,95.23 29.44,98.82 arc(30.41,99.47) 31.56,99.7 D4.1 34.35,100.21 arc(34.03,100.96) 33.28,101.27 14.35,101.27 arc(13.65,100.98) 13.36,100.28 C12#4.1 ; R5#3.2 64.36,118.08 arc(64.71,118.22) 64.86,118.58 v1(64.86,121.87) 65.62,121.87 RN1.8 ; D3#4.1 15.25,99.75 C12#4.1 ; C6#4.1 15.29,118.75 D1#3.1 ; C6#4.1 12.65,118.75 arc(11.81,119.1) 11.47,119.93 ; C6#4.1 13.31,119.31 arc(13.69,120.23) 14.61,120.61 33.02,120.61 arc(33.96,120.22) 34.35,119.28 D2#3.1 31.6,118.75 arc(30.45,118.52) 29.48,117.87 25.56,113.95 arc(25.12,113.3) 24.97,112.53 D11#3.1 24.97,111.31 arc(25.2,110.75) 25.76,110.52 29.97,110.52 arc(31.12,110.75) 32.09,111.4 33.36,112.67 arc(34.33,113.32) 35.48,113.55 49.11,113.55 arc(49.82,113.26) 50.11,112.55 D10#3.1 ; 11.47,119.93 11.47,125.33 arc(14.19,131.92) 20.78,134.65 22.72,134.65 arc(23.1,134.57) 23.43,134.35 U1#2.2 25.47,134.33 arc(25.8,134.54) 26.18,134.62 29.66,134.62 arc(30.56,134.44) 31.32,133.93 38.6,126.66 arc(39.63,125.11) 39.99,123.28 arc(40.27,121.87) 41.07,120.68 41.27,120.49 arc(42.71,119.52) 44.4,119.19 48.13,119.19 ; 11.47,119.93 11.47,100.93 ; U3.7 52.61,107.57 53.66,108.63 v1(53.66,108.83) ; 11.47,100.93 11.47,81.91 arc(11.82,81.05) 12.67,80.7 C14#4.1 ; 11.47,100.93 arc(11.81,100.1) 12.64,99.75 C12#4.1 ; C3#4.1 45.49,121.83 C5#3.1 45.46,120.33 v1(44.79,120.99) ; C3#4.1 45.5,121.89 FB2#3.2 ; C3#4.1 arc(47.35,121.07) 48.13,119.19 ; 48.13,119.19 v1(56.09,119.19) ; D8.1 59.5,80.97 arc(59.2,81.67) 58.5,81.97 33.03,81.97 ; C14#4.1 13.31,81.26 arc(13.52,81.76) 14.02,81.97 33.03,81.97 ; C14#4.1 15.25,80.7 D6#4.1 ; 33.03,81.97 34.35,81.97 D7#3.1 ; v1(48.48,100.76) 48.48,101.11 arc(48.52,101.31) 48.62,101.47 U3.24
